# Altium PCB Calculator.PcbDoc (continued)
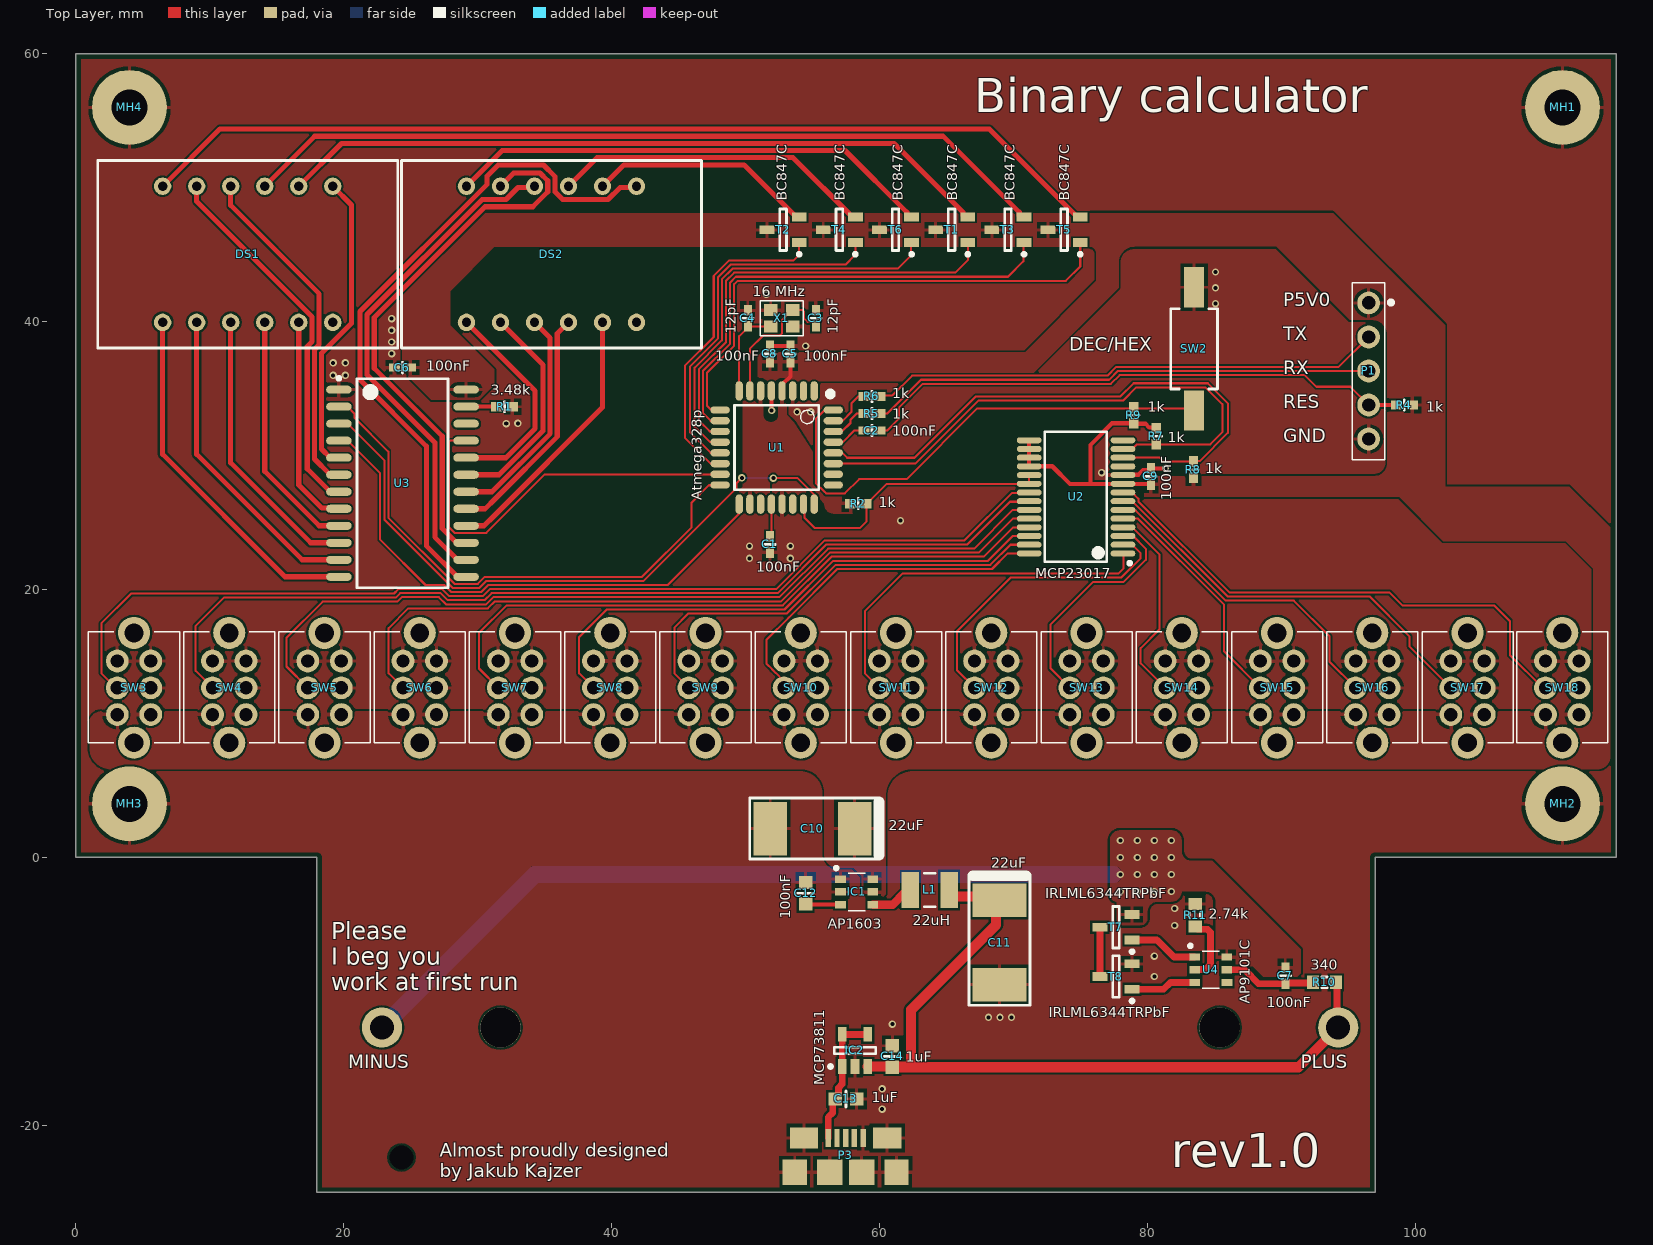
[diagram p0: Top Layer view]
## Part data
BAT1: library part "18650 Holder", "18650 Cell Battery Holder", Manufacturer=GENERIC, Manufacturer 1 Component Height=21mm, Manufacturer 1 Example=COMF, Manufacturer 1 Part Number=BHC-18650-1P, Voltage Max=100V, Author=JK, Create Date=20.12.2019, DesignItemId="18650 Holder", Family=BHC, helpURL=https://www.tme.eu/Document/8fa81c4c5d128169ded6af3ed3867ae3/BHC-18650-1P.pdf, LatestRevisionDate=20.12.2019, Manufacturer Part Number="18650 Holder", Mounted=Yes, Part Description="18650 Cell Battery Holder", Pin Count=2, PressFit=No, Sense=No, SMD=No, Socket=Yes, Status=Recommended, Supplier 1=TME, Supplier Part Number 1=BHC-18650-1P
C1 C2 C5 C6 C7 C8 C9: library part CC0402_100NF_16V_10%_X7R, "Non-polarised capacitor", Case="0402 (1005 metric)", Dielectric=X7R, Manufacturer=GENERIC, Manufacturer 1 Component Height=0.5mm, Manufacturer 1 Example=Samsung, Manufacturer 1 Part Number=CL05B104KO5NNNC, Tolerance=10%, Voltage=16V, Author=KB, Create Date=29.07.2019, DesignItemId=CC0402_100NF_16V_10%_X7R, helpURL=http://www.farnell.com/datasheets/1870456.pdf?_ga=2.66904750.1666480506.1564307475-778048469.1556931874&_gac=1.242951606.1563147047.EAIaIQobChMIrfuAvMi14wIVB-J3Ch1XegfpEAYYASABEgIMVfD_BwE, LatestRevisionDate=29.07.2019, Manufacturer Part Number=CC0402_100NF_16V_10%_X7R, Mounted=Yes, Part Description="Non-polarised capacitor", Pin Count=2, PressFit=No, Sense=No, SMD=Yes, Socket=No, Status=Recommended, Supplier 1=TME, Supplier 2=Farnell, Supplier 3=Mouser, Supplier Part Number 1=CL05B104KO5NNNC, Supplier Part Number 2=1758896, Supplier Part Number 3=710-885012205037
C3 C4: library part CC0402_12PF_50V_5%_C0G, "Non-polarised capacitor", Case="0402 (1005 metric)", Dielectric=C0G, Manufacturer=GENERIC, Manufacturer 1 Component Height=0.5mm, Manufacturer 1 Example=Murata, Manufacturer 1 Part Number=GRM1555C1H120JA01D, Tolerance=5%, Voltage=50V, Author=KB, Create Date=28.07.2019, DesignItemId=CC0402_12PF_50V_5%_C0G, helpURL=https://search.murata.co.jp/Ceramy/image/img/A01X/G101/ENG/GJM1555C1H7R5CB01-01.pdf, LatestRevisionDate=28.07.2019, Manufacturer Part Number=CC0402_12PF_50V_5%_C0G, Mounted=Yes, Part Description="Non-polarised capacitor", Pin Count=2, PressFit=No, Sense=No, SMD=Yes, Socket=No, Status=Recommended, Supplier 1=TME, Supplier 2=Farnell, Supplier 3=Mouser, Supplier Part Number 1=GRM1555C1H120JA01D, Supplier Part Number 2=1758943, Supplier Part Number 3=81-GCM1555C1H120JA6J
C10 C11: library part CC2917_47UF_25V_20%_TANTALUM, "Polarised capacitor", Case="2917 (7343 metric)", Dielectric=TANTALUM, Manufacturer=GENERIC, Manufacturer 1 Component Height=2.8mm, Manufacturer 1 Example=Vishay, Manufacturer 1 Part Number=293D476X0025D2TE3, Manufacturer Part Number=CC2917_22UF_25V_20%_TANTALUM, Supplier Part Number 1=74-293D476X0025D2TE3, Tolerance=20%, Voltage=25V, Author=JK, Create Date=19.12.2019, DesignItemId=CC2917_47UF_25V_20%_TANTALUM, helpURL=https://www.tme.eu/Document/a5d90d85079967994fb49c0e8f8ad6e9/293d.pdf, LatestRevisionDate=19.12.2019, Mounted=Yes, Part Description="Polarised capacitor", Pin Count=2, PressFit=No, Sense=No, SMD=Yes, Socket=No, Status=Recommended, Supplier 1=Mouser, Supplier 2=TME, Supplier Part Number 2=293D476X0025D2TE3
C12: library part CC0603_100NF_16V_10%_X7R, "Non-polarised capacitor", Case="0603 (1608 metric)", Dielectric=X7R, Manufacturer=GENERIC, Manufacturer 1 Component Height=0.8mm, Manufacturer 1 Example=Vishay, Manufacturer 1 Part Number=VJ0603Y104KXJCW1BC, Supplier Part Number 1=2896425, Tolerance=10%, Voltage=16V, Author=KB, Create Date=01.04.2019, DesignItemId=CC0603_100NF_16V_10%_X7R, helpURL=https://www.vishay.com/docs/28548/vjw1bcbascomseries.pdf, LatestRevisionDate=01.04.2019, Manufacturer Part Number=CC0603_100NF_16V_10%_X7R, Mounted=Yes, Part Description="Non-polarised capacitor", Pin Count=2, PressFit=No, Sense=No, SMD=Yes, Socket=No, Status=Recommended, Supplier 1=Farnell, Supplier 2=TME, Supplier 3=Mouser, Supplier Part Number 2=VJ0603Y104KXJCW1BC, Supplier Part Number 3=710-885012206046
C13 C14: library part CC0603_1UF_6V3_10%_X7R, "Non-polarised capacitor", Case="0603 (1608 metric)", Dielectric=X7R, Manufacturer=GENERIC, Manufacturer 1 Component Height=0.8mm, Manufacturer 1 Example=Samsung, Manufacturer 1 Part Number=C0603C105K9RACAUTO7411, Supplier Part Number 1=80-C0603C105K9RAUTLR, Tolerance=10%, Voltage=6.3V, Author=UN, Create Date=30.08.2019, DesignItemId=CC0603_1UF_6V3_10%_X7R, helpURL=https://pl.mouser.com/datasheet/2/212/KEM_C1023_X7R_AUTO_SMD-1093309.pdf, LatestRevisionDate=30.08.2019, Manufacturer Part Number=CC0603_1UF_6V3_10%_X7R, Mounted=Yes, Part Description="Non-polarised capacitor", Pin Count=2, PressFit=No, Sense=No, SMD=Yes, Socket=No, Status=Recommended, Supplier 1=Mouser, Supplier 2=TME, Supplier 3=Farnell, Supplier Part Number 2=C0603C105K9RACAU74, Supplier Part Number 3=2860299
DS1 DS2: library part "7-Segment Green Display CA 3-Digits", "7-seg LED Display; 9.14mm; 0.36ˇ¨; 3 Digits; Green", Color=Green, Manufacturer=Generic, Manufacturer 1 Component Height=7.2mm, Manufacturer 1 Example=WENRUN, Manufacturer 1 Part Number=LTD036BAG-101A-02, Supplier Part Number 1=LTD036BAG-101A, Author=JK, Create Date=04.12.2019, DesignItemId="7-Segment Green Display CA 3-Digits", helpURL=https://www.tme.eu/Document/a6075032405c075918ac13897b6973d4/LTD036BAG-101A.pdf, LatestRevisionDate=04.12.2019, Mounted=YES, Part Description="7-seg LED Display; 9.14mm; 0.36ˇ¨; 3 Digits; Green", Pin Count=12, PressFit=No, Sense=No, SMD=No, Socket=No, Supplier 1=TME
IC1: "STEP-UP DC-DC CONVERTER", Manufacturer 1 Component Height=1.3mm, Manufacturer 1 Example="DIODES INCORPORATED", Manufacturer 1 Part Number=AP1603WG-7, Supplier Part Number 1=621-AP1603WG-7, Author=JK, Create Date=19.12.2019, DesignItemId=AP1603, Device=AP1603, helpURL=https://www.tme.eu/Document/3ad0bf81fd35619d65908fe8fa84f929/AP1603x-DTE.pdf, LatestRevisionDate=19.12.2019, Mounted=Yes, Part Description="STEP-UP DC-DC CONVERTER", Pin Count=6, PressFit=No, Sense=No, SMD=Yes, Socket=No, Supplier 1=Mouser, Supplier 2=Farnell, Supplier 3=TME, Supplier Part Number 2=1825335, Supplier Part Number 3=AP1603WG-7
IC2: "Simple, Miniature Single-Cell, Fully Integrate d Li-Ion / Li-Polymer Charge Management Controllers", Manufacturer 1 Component Height=1.05mm, Manufacturer 1 Example="Microchip Technology", Manufacturer 1 Part Number=MCP73811T-420I/OT, Supplier Part Number 1=MCP73811T-420IT, Author=JK, Create Date=20.12.2019, DesignItemId=MCP73811, Device=MCP73811, helpURL=https://www.tme.eu/Document/854c2d12dac3548645f8087169cd177d/MCP73811T-420IT.pdf, LatestRevisionDate=20.12.2019, Mounted=Yes, Part Description="Simple, Miniature Single-Cell, Fully Integrate d Li-Ion / Li-Polymer Charge Management Controllers", Pin Count=5, PressFit=No, Sense=No, SMD=Yes, Socket=No, Supplier 1=TME
L1: library part IND1210_22UH_150MA, "SMD Inductor", Case="1210 (3225 metric)", Manufacturer=GENERIC, Manufacturer 1 Component Height=2mm, Manufacturer 1 Example=Murata, Manufacturer 1 Part Number=LQH32MN220K23L, Supplier Part Number 1=81-LQH32MN220K23L, Tolerance=10%, Author=JK, Create Date=19.12.2019, DesignItemId=IND1210_22UH_150MA, helpURL=https://www.murata.com/~/media/webrenewal/support/library/catalog/products/inductor/chip/o05e.ashx, LatestRevisionDate=19.12.2019, Manufacturer Part Number=LQH32MN220K23L, Mounted=Yes, Part Description="SMD inductor", Pin Count=2, PressFit=No, Sense=No, SMD=Yes, Socket=No, Status=Recommended, Supplier 1=Mouser, Supplier 2=TME, Supplier Part Number 2=LQH32MN220K23L
MH1 MH2 MH3 MH4: library part MH-M2.5_C, "Mounting hole, M2.5, exposed pad", Author=KB, Create Date=19.05.2011, DesignItemId=MH-M2.5_C, Family=M2.5, LatestRevisionDate=19.05.2011, Part Description="Mounting hole, M2.5, exposed pad"
P1: library part HDR_THT_5X1V_F_2P54MM, "General Purpose Header: THT, 2.54mm, Female, Straight, Long Lead", Current Max=3A, Manufacturer=GENERIC, Manufacturer 1 Component Height=11.55mm, Manufacturer 1 Example=Samtec, Supplier Part Number 1=ZL262-5SG, Author=UN, Create Date=19.08.2014, DesignItemId=HDR_THT_5X1V_F_2P54MM, Family=SSW, helpURL=https://pl.mouser.com/datasheet/2/527/ssw_th-1507658.pdf, LatestRevisionDate=19.08.2014, Manufacturer 1 Part Number=SSW-105-02-G-S, Manufacturer Part Number=HDR_THT_5X1V_F_2P54MM, Mounted=Yes, Part Description="General Purpose Header: THT, 2.54mm, Female, Straight, Long Lead", Pin Count=5, PressFit=No, Sense=No, SMD=No, Socket=No, Status=Recommended, Supplier 1=TME, Supplier 2=Mouser
P3: library part 10118192-0001LF, "USB B micro; SMT; PIN: 5; Horizontal; V: USB 2.0", Manufacturer=AMPHENOL, Manufacturer 1="ADAM TECH", Manufacturer 1 Component Height=2.8mm, Manufacturer Part Number 1=MUSB-B5-S-RA-TSMT-CS1, Supplier Part Number 1=10118192-0001LF/C, Author=JK, Create Date=21.12.2019, DesignItemId=10118192-0001LF, Family="USB Micro B", helpURL=https://www.tme.eu/Document/72ced03c59c3e8fbc7670eebe358f9ff/10118192-0001LF.pdf, LatestRevisionDate=21.12.2019, Manufacturer 1 Example=AMPHENOL, Manufacturer 1 Part Number=10118192-0001LF, Manufacturer Part Number=10118192-0001LF, Mounted=Yes, Part Description="USB B micro; SMT; PIN: 5; Horizontal; V: USB 2.0", Pin Count=5, PressFit=No, Sense=No, SMD=Yes, Socket=No, Status=Recommended, Supplier 1=TME
R1: library part R0402_3K48_0.0625W_100PPM, "General Purpose Thick Film Chip Resistor", Case="0402 (1005 metric)", Current Max=0, Manufacturer=GENERIC, Manufacturer 1 Component Height=0.4mm, Manufacturer 1 Example=Vishay, Manufacturer 1 Part Number=CRCW04023K48FKEDC, Manufacturer Part Number="R0402_3K48_0.0625W 0.1W 0.125W 0.25W 0.5W 1W 0.75W 1W_100PPM", Power=62.5mW, Tolerance=1%, Voltage=50V, Author=KB, Component Type=Standard, Create Date=03.07.2019, DesignItemId=R0402_3K48_0.0625W_100PPM, helpURL=https://www.vishay.com/docs/20035/dcrcwe3.pdf, LatestRevisionDate=03.07.2019, Mounted=Yes, Part Description="General Purpose Thick Film Chip Resistor", Pin Count=2, PressFit=No, Sense=No, SMD=Yes, Socket=No, Status=Recommended, Supplier 1=Farnell, Supplier 2=TME, Supplier 3=Mouser, TC="±100 ppm/°C"
R2 R4 R5 R6 R7 R8 R9: library part R0402_1K00_0.0625W_100PPM, "General Purpose Thick Film Chip Resistor", Case="0402 (1005 metric)", Current Max=0, Manufacturer=GENERIC, Manufacturer 1 Component Height=0.4mm, Manufacturer 1 Example=Vishay, Manufacturer 1 Part Number=CRCW04021K00FKEDC, Manufacturer Part Number="R0402_1K00_0.0625W 0.1W 0.125W 0.25W 0.5W 1W 0.75W 1W_100PPM", Power=62.5mW, Tolerance=1%, Voltage=50V, Author=KB, Component Type=Standard, Create Date=03.07.2019, DesignItemId=R0402_1K00_0.0625W_100PPM, helpURL=https://www.vishay.com/docs/20035/dcrcwe3.pdf, LatestRevisionDate=03.07.2019, Mounted=Yes, Part Description="General Purpose Thick Film Chip Resistor", Pin Count=2, PressFit=No, Sense=No, SMD=Yes, Socket=No, Status=Recommended, Supplier 1=Farnell, Supplier 2=Mouser, Supplier 3=TME, Supplier Part Number 2=71-CRCW0402-1.0K-E3, Supplier Part Number 3=CRCW04021K00FKED, TC="±100 ppm/°C"
R10: library part R0603_340R_0.1W_100PPM, "General Purpose Thick Film Chip Resistor", Case="0603 (1608 metric)", Current Max=0, Manufacturer=GENERIC, Manufacturer 1 Component Height=0.5mm, Manufacturer 1 Example=Vishay, Manufacturer 1 Part Number=CRCW0603340RFKEDC, Manufacturer Part Number="R0603_340R_0.0625W 0.1W 0.125W 0.25W 0.5W 1W 0.75W 1W_100PPM", Power=100mW, Tolerance=1%, Voltage=75V, Author=KB, Component Type=Standard, Create Date=03.07.2019, DesignItemId=R0603_340R_0.1W_100PPM, helpURL=https://www.vishay.com/docs/20035/dcrcwe3.pdf, LatestRevisionDate=03.07.2019, Mounted=Yes, Part Description="General Purpose Thick Film Chip Resistor", Pin Count=2, PressFit=No, Sense=No, SMD=Yes, Socket=No, Status=Recommended, Supplier 1=Farnell, Supplier 2=TME, Supplier 3=Mouser, TC="±100 ppm/°C"
R11: library part R0603_2K74_0.1W_100PPM, "General Purpose Thick Film Chip Resistor", Case="0603 (1608 metric)", Current Max=0, Manufacturer=GENERIC, Manufacturer 1 Component Height=0.5mm, Manufacturer 1 Example=Vishay, Manufacturer 1 Part Number=CRCW06032K74FKEDC, Manufacturer Part Number="R0603_2K74_0.0625W 0.1W 0.125W 0.25W 0.5W 1W 0.75W 1W_100PPM", Power=100mW, Tolerance=1%, Voltage=75V, Author=KB, Component Type=Standard, Create Date=03.07.2019, DesignItemId=R0603_2K74_0.1W_100PPM, helpURL=https://www.vishay.com/docs/20035/dcrcwe3.pdf, LatestRevisionDate=03.07.2019, Mounted=Yes, Part Description="General Purpose Thick Film Chip Resistor", Pin Count=2, PressFit=No, Sense=No, SMD=Yes, Socket=No, Status=Recommended, Supplier 1=Farnell, Supplier 2=TME, Supplier 3=Mouser, TC="±100 ppm/°C"
SW2: library part SMD_TACT_6P0X3P5MM, "Tactile Switches Tact 50mA 12VDC, 6.0x3.5, 4.3mm H, 180gf, G leads, No ground pin, Black Actuator", Manufacturer=C&K, Manufacturer 1 Component Height=4.3mm, Manufacturer 1 Example=S&K, Manufacturer 1 Part Number="PTS636 SM43 SMTR LFS", Supplier Part Number 1=611-PTS636SM43SMTRLF, Author=KB, Create Date=30.07.2019, DesignItemId=SMD_TACT_6P0X3P5MM, Family=PTS636, helpURL=https://pl.mouser.com/datasheet/2/60/pts636-1550567.pdf, LatestRevisionDate=30.07.2019, Manufacturer Part Number="PTS636 SM43 SMTR LFS", Mounted=Yes, Part Description="Tactile Switches Tact 50mA 12VDC, 6.0x3.5, 4.3mm H, 180gf, G leads, No ground pin, Black Actuator", Pin Count=2, PressFit=No, Sense=No, SMD=Yes, Socket=No, Status=Recommended, Supplier 1=Mouser, Supplier 2=Digi-Key
SW3 SW4 SW5 SW6 SW7 SW8 SW9 SW10 SW11 SW12 SW13 SW14 SW15 SW16 SW17 SW18: library part SS008B-02P-22, "Switch  2 position; DPDT; 0,3A/30VDC; ON-ON; 50mŁ[", Manufacturer="CANAL ELECTRONIC", Manufacturer 1 Component Height=4.7mm, Supplier Part Number 1=SS008B02P22, Author=JK, Create Date=04.12.2019, DesignItemId=SS008B-02P-22, Family=SS008B, helpURL=https://www.tme.eu/Document/b70a8664e2e58da8ce3209f25de299f1/ss008b02p22.pdf, LatestRevisionDate=04.12.2019, Manufacturer 1 Example="CANAL ELECTRONIC", Manufacturer 1 Part Number=SS008B-02P-22, Manufacturer Part Number=SS008B-02P-22, Mounted=Yes, Part Description="Switch  2 position; DPDT; 0,3A/30VDC; ON-ON; 50mŁ[", Pin Count=6, PressFit=No, Sense=No, SMD=No, Socket=No, Status=Recommended, Supplier 1=TME
T1 T2 T3 T4 T5 T6: "NPN Bipolar Transistor, 45V, 100mA, 250mW, SOT23", Manufacturer 1 Component Height=1.05mm, Manufacturer 1 Example=Nexperia, Manufacturer 1 Part Number=BC847C.215, Author=KB, Create Date=19.04.2009, DesignItemId=BC847C, Device=BC847C, helpURL=https://assets.nexperia.com/documents/data-sheet/BC847_SER.pdf, LatestRevisionDate=19.04.2009, Mounted=Yes, Part Description="NPN Bipolar Transistor, 45V, 100mA, 250mW, SOT23", Pin Count=3, PressFit=No, Sense=No, SMD=Yes, Socket=No, Supplier 1=TME, Supplier 2=Farnell, Supplier 3=Mouser, Supplier Part Number 1=BC847C.215, Supplier Part Number 2=1081235, Supplier Part Number 3=771-BC847C-T/R
T7 T8: library part IRLML6344TRPBF, "N-MOS 5.0A 29mOhm 30V 2.5V drv capable", Manufacturer 1 Component Height=1.05mm, Manufacturer 1 Example=Infineon, Author=JK, Create Date=30.09.2019, DesignItemId=IRLML6344TRPBF, Device=IRLML6344TRPbF, helpURL=https://www.tme.eu/Document/f3dfd4e8b214f54a2960ef3507968e9d/irlml6344pbf.pdf, LatestRevisionDate=30.09.2019, Manufacturer 1 Part Number=IRLML6344TRPBF, Mounted=Yes, Part Description="N-MOS 5.0A 29mOhm 30V 2.5V drv capable", Pin Count=3, PressFit=No, Sense=No, SMD=Yes, Socket=No, Supplier 1=TME, Supplier 2=Farnell, Supplier 3=Mouser, Supplier Part Number 1=IRLML6344TRPBF, Supplier Part Number 2=1857299, Supplier Part Number 3=942-IRLML6344TRPBF
U1: "8-bit AVR Microcontroller with 32K Bytes In-SystemProgrammable Flash", Manufacturer 1 Component Height=1.2mm, Manufacturer 1 Example=Atmel, Manufacturer 1 Part Number=ATMEGA328PB-AU, Author=JK, Create Date=21.12.2019, DesignItemId=Atmega328p, Device=Atmega328p, helpURL=http://ww1.microchip.com/downloads/en/DeviceDoc/Atmel-7810-Automotive-Microcontrollers-ATmega328P_Datasheet.pdf, LatestRevisionDate=21.12.2019, Mounted=Yes, Part Description="8-bit AVR Microcontroller with 32K Bytes In-SystemProgrammable Flash", Pin Count=32, PressFit=No, Sense=No, SMD=Yes, Socket=No, Supplier 1=TME, Supplier Part Number 1=ATMEGA328PB-AU
U2: library part MCP23017-E/SS, "16-Bit I/O Expander with Serial Interface", Manufacturer 1 Component Height=1.75mm, Manufacturer 1 Example=Microchip, Supplier Part Number 1=579-MCP23017-E/SS, Author=JK, Create Date=06.09.2019, DesignItemId=MCP23017-E/SS, Device=MCP23017, helpURL=https://www.tme.eu/Document/4a5fbc9d683fd19f7c43480a0c75c888/mcp23017.pdf, LatestRevisionDate=06.09.2019, Manufacturer 1 Part Number=MCP23017-E/SS, Mounted=Yes, Part Description="16-Bit I/O Expander with Serial Interface", Pin Count=28, PressFit=No, Sense=No, SMD=Yes, Socket=No, Supplier 1=Mouser, Supplier 2=Farnell, Supplier 3=TME, Supplier Part Number 2=1467674, Supplier Part Number 3=MCP23017-E/SS
U3: library part SCT2024, "Driver, kontroler LED, 5ˇĹ0mA, Kanały: 16, 3ˇĹ,5V, SOP24", Manufacturer=Generic, Manufacturer 1 Component Height=2.65mm, Manufacturer 1 Example="STARCHIPS TECHNOLOGY", Manufacturer 1 Part Number=SCT2024CSOG, Author=UN, Create Date=14.08.2019, DesignItemId=SCT2024, helpURL=https://www.tme.eu/Document/8876e3da3e0cc25d8b4c7cdeea8b8a88/SCT2024.pdf, LatestRevisionDate=14.08.2019, Mounted=Yes, Part Description="Driver, kontroler LED, 5ˇĹ0mA, Kanały: 16, 3ˇĹ,5V, SOP24", Pin Count=24, PressFit=No, Sense=No, SMD=Yes, Socket=No, Supplier 1=TME, Supplier Part Number 1=SCT2024CSOG
U4: "SINGLE CHIP SOLUTION FOR 1-CELL Li+ BATTERY PACK", Manufacturer 1 Component Height=1.3mm, Manufacturer 1 Example="Diodes Incorporated", Manufacturer 1 Part Number=AP9101CK6-AETRG1, Author=JK, Create Date=20.12.2019, DesignItemId=AP9101C, Device=AP9101C, helpURL=https://www.tme.eu/Document/2363835cc5634a92b6e94bc773e39f4b/AP9101C.pdf, LatestRevisionDate=20.12.2019, Mounted=Yes, Part Description="SINGLE CHIP SOLUTION FOR 1-CELL Li+ BATTERY PACK", Pin Count=6, PressFit=No, Sense=No, SMD=Yes, Socket=No, Supplier 1=TME, Supplier Part Number 1=AP9101CK6-AETRG1
X1: library part LFXTAL069392CUTT, "ˇĹ0ppm 10pF -40°C to +85°C  4 Pins, 2.5x2X0.6mm", Manufacturer 1 Component Height=0.6, Manufacturer 1 Example="IQD FREQUENCY PRODUCTS", Supplier Part Number 1=16.00M-CFPX-218, Author=PC, Create Date=19.08.2009, DesignItemId=LFXTAL069392CUTT, helpURL=https://www.tme.eu/Document/39c21ac8c088601505d794405896ec92/LFXTAL069392Cutt.pdf, LatestRevisionDate=19.08.2009, Manufacturer 1 Part Number=LFXTAL069392CUTT, Mounted=Yes, Part Description="ˇĹ0ppm 10pF -40°C to +85°C  4 Pins, 2.5x2X0.6mm", Pin Count=4, PressFit=No, Sense=No, SMD=Yes, Socket=No, Supplier 1=TME, Supplier 2=Mouser, Supplier Part Number 2=449-LFXTAL069392CUTT

## Via types
v1: diameter 0.55, hole 0.3, Top Layer to Bottom Layer, tented both sides, 53 vias

## Nets (pads, with @x,y where several pads share a name; then routed paths per layer and width w, separated by ;. In a path a pad name is that pad's centre, name@x,y a point inside that pad or via, vN(x,y) a via of type N, cw(c..) or ccw(c..) an arc to the next point about the centre after c; other vN are vias at no path point)
A1: DS1.11 U3.7 | length 27.9
  Top Layer w0.381: DS1.11 9.017,48.978 17.63,40.365 17.63,38.512 17.274,38.156 17.274,29.015 18.984,27.305 U3.7
A2: DS2.11 U3.15 | length 41.9
  Top Layer w0.381: U3.15 28.425,23.495 28.102,23.817 28.091,23.817 27.356,24.553 27.356,31.445 23.241,35.56 22.276,36.525 22.276,40.31 30.554,48.588 34.117,48.588 35.232,49.703 35.232,50.525 34.65,51.107 32.692,51.107 DS2.11
B1: DS1.7 U3.5 | length 22.7
  Top Layer w0.381: DS1.7 20.574,48.717 20.574,39.878 18.341,37.645 18.341,30.488 18.984,29.845 U3.5
B2: DS2.7 U3.13 | length 51.2
  Top Layer w0.381: U3.13 28.484,20.955 26.162,23.277 26.162,30.709 21.209,35.662 21.209,40.76 30.706,50.257 30.706,50.874 31.537,51.704 34.91,51.704 35.76,50.854 35.76,50.6 35.765,50.595 35.765,49.706 36.35,49.121 39.73,49.121 40.638,50.029 41.773,50.029 DS2.7
C1: DS1.4 U3.9 | length 18.3
  Top Layer w0.381: DS1.4 14.097,28.829 18.161,24.765 U3.9
C2: DS2.4 U3.17 | length 17.9
  Top Layer w0.381: U3.17 30.557,26.035 31.294,26.772 35.941,31.419 35.941,39.116 DS2.4
CLK: U1.24 U3.3 | length 48.1
  Top Layer w0.152: U3.3 20.284,32.385 23.025,29.644 23.025,25.235 28.139,20.122 30.129,20.122 30.658,20.65 42.395,20.65 49.305,27.561 49.305,27.924 v1(49.724,28.342) ; v1(52.07,28.321) 53.887,28.321 55.124,27.084 U1.24@55.124,26.357
  Bottom Layer w0.152: v1(49.724,28.342) 49.702,28.321 v1(52.07,28.321)
D1: DS1.2 U3.11 | length 23.7
  Top Layer w0.381: DS1.2 9.017,30.099 16.891,22.225 U3.11
D2: DS2.2 U3.19 | length 16.5
  Top Layer w0.381: U3.19 31.588,28.575 34.874,31.861 34.874,36.779 DS2.2
DIGIT1: T5.1 U1.9 | length 39.2
  Top Layer w0.152: U1.9@48.074,33.407 47.43,33.407 47.117,33.72 47.117,36.18 49.149,38.212 49.149,42.799 49.403,43.053 73.914,43.053 74.987,44.126 T5.1
DIGIT2: T3.1 U1.10 | length 36.1
  Top Layer w0.152: U1.10@48.074,32.607 47.399,32.607 46.812,33.194 46.812,36.321 48.844,38.353 48.844,42.925 49.277,43.358 69.596,43.358 70.739,44.501 70.739,45.862 T3.1
DIGIT3: T1.1 U1.11 | length 33.2
  Top Layer w0.152: U1.11@48.074,31.807 47.323,31.807 46.507,32.622 46.507,36.447 48.539,38.48 48.539,43.052 49.15,43.663 65.659,43.663 66.593,44.597 T1.1
DIGIT4: T6.1 U1.12 | length 30
  Top Layer w0.152: U1.12@48.074,31.007 47.352,31.007 46.203,32.156 46.203,36.574 48.235,38.606 48.235,43.178 49.024,43.967 61.366,43.967 62.357,44.958 62.357,45.874 T6.1
DIGIT5: T4.1 U1.13 | length 27.2
  Top Layer w0.152: U1.13@48.074,30.207 47.39,30.207 45.847,31.75 45.847,36.649 47.93,38.732 47.93,43.304 48.898,44.272 57.48,44.272 58.199,44.991 T4.1
DIGIT6: T2.1 U1.14 | length 24.3
  Top Layer w0.152: U1.14@48.074,29.407 47.392,29.407 45.466,31.333 45.466,36.699 47.625,38.858 47.625,43.43 48.772,44.577 53.594,44.577 54.002,44.985 T2.1
DP1: DS1.3 U3.10 | length 21
  Top Layer w0.381: DS1.3 11.557,29.464 17.526,23.495 U3.10
DP2: DS2.3 U3.18 | length 16.9
  Top Layer w0.381: U3.18 31.073,27.305 35.408,31.64 35.408,38.786 DS2.3
E1: DS1.1 U3.12 | length 26.8
  Top Layer w0.381: DS1.1 6.477,30.099 15.621,20.955 U3.12
E2: DS2.1 U3.20 | length 16.1
  Top Layer w0.381: U3.20 32.104,29.845 34.29,32.031 34.29,34.823 DS2.1
F1: DS1.10 U3.6 | length 25.6
  Top Layer w0.381: DS1.10 11.557,48.687 18.163,42.081 18.163,38.291 17.808,37.935 17.808,29.751 18.912,28.647 19.562,28.647 U3.6
F2: DS2.10 U3.14 | length 38.2
  Top Layer w0.381: U3.14 28.484,22.225 26.797,23.912 26.797,30.988 21.742,36.043 21.742,40.531 30.333,49.121 32.11,49.121 33.018,50.029 34.153,50.029 DS2.10
G1: DS1.5 U3.8 | length 15.9
  Top Layer w0.381: DS1.5 16.637,27.813 18.373,26.077 19.592,26.077 U3.8
G2: DS2.5 U3.16 | length 20.2
  Top Layer w0.381: U3.16 30.472,24.765 31.209,25.502 39.319,33.612 DS2.5
GND: C1.1 C3.2 C4.1 C5.1 C6.1 C8.1 C9.1 C10.2 C11.2 C12.1 C13.1 C14.1 IC1.1 IC1.2 IC2.2 MH1.MH MH2.MH MH3.MH MH4.MH P1.5 P3.5 P3.SH R1.1 R11.1 SW2.1 SW3.3 SW3.4 SW3.5 SW3.6 SW4.3 SW4.4 SW4.5 SW4.6 SW5.3 SW5.4 SW5.5 SW5.6 SW6.3 SW6.4 SW6.5 SW6.6 SW7.3 SW7.4 SW7.5 SW7.6 SW8.3 SW8.4 SW8.5 SW8.6 SW9.3 SW9.4 SW9.5 SW9.6 SW10.3 SW10.4 SW10.5 SW10.6 SW11.3 SW11.4 SW11.5 SW11.6 SW12.3 SW12.4 SW12.5 SW12.6 SW13.3 SW13.4 SW13.5 SW13.6 SW14.3 SW14.4 SW14.5 SW14.6 SW15.3 SW15.4 SW15.5 SW15.6 SW16.3 SW16.4 SW16.5 SW16.6 SW17.3 SW17.4 SW17.5 SW17.6 SW18.3 SW18.4 SW18.5 SW18.6 T8.2 U1.3 U1.5 U1.21 U2.10 U3.1 X1.2 X1.4 | length 6.4
  Top Layer w0.305: C8.1 C5.1 ; U1.5@51.924,34.857 51.924,33.395 ccw(c51.943,33.395) v1(51.943,33.376) ; U2.10 78.204,28.577 79.326,28.577 79.685,28.936 80.152,28.936 80.266,29.05 81.354,29.05 v1(81.356,29.052)
  other v1: 60.198,-18.796 60.198,-17.272 60.96,-12.446 68.14,-11.938 68.995,-11.938 69.85,-11.938 80.518,-8.89 80.518,-7.366 82.042,-5.08 82.042,-3.81 50.292,22.327 53.34,22.327 50.292,23.241 53.34,23.241 61.57,25.146 76.581,28.727 32.131,32.385 32.995,32.41 53.848,33.274 54.864,33.274 19.202,35.992 20.117,35.992 19.202,36.932 20.117,36.932 23.571,37.617 54.48,38.188 23.571,38.489 23.571,39.362 23.571,40.234 85.09,41.351 51.534,42.049 85.09,42.532 85.09,43.713
GNDBAT: BAT1.MINUS C7.1 T7.2 U4.6 | length 59.4
  Bottom Layer w1.27: BAT1.MINUS 34.277,-1.27 77.47,-1.27
  other v1: 77.978,-2.54 79.248,-2.54 80.518,-2.54 81.788,-2.54 77.978,-1.27 79.248,-1.27 80.518,-1.27 81.788,-1.27 77.978,0 79.248,0 80.518,0 81.788,0 77.978,1.27 79.248,1.27 80.518,1.27 81.788,1.27
INT: R2.1 U1.23 U2.19 U2.20 | length 20.9
  Top Layer w0.152: U1.23@54.324,26.357 54.41,26.271 54.41,25.346 55.143,24.613 58.557,24.613 59.02,25.076 R2.1 ; R2.1@59.055,26.416 60.538,27.899 U2.20 U2.19
LA: U1.17 U3.4 | length 40.6
  Top Layer w0.152: U3.4 20.284,31.115 22.72,28.679 22.72,23.727 26.102,20.345 27.484,20.345 28.013,19.817 30.255,19.817 30.784,20.345 44.187,20.345 49.524,25.682 U1.17@49.524,26.357
NetC1_2: C1.2 U1.20 | length 2.2
  Top Layer w0.152: C1.2@51.816,24.222 51.924,24.33 U1.20@51.924,26.357
NetC2_1: C2.1 U1.29 | length 2.6
  Top Layer w0.152: U1.29@56.574,31.007 57.249,31.007 58.119,31.877 C2.1
NetC3_1: C3.1 U1.7 X1.1 | length 10.7
  Top Layer w0.152: U1.7@50.324,34.857 50.324,37.984 51.308,38.968 52.557,38.968 52.705,39.116 52.705,40.097 53.48,40.872 X1.1 54.251,40.872 54.356,40.767 54.356,40.259 54.632,39.983 55.021,39.983 55.245,39.759 C3.1
NetC4_2: C4.2 U1.8 X1.3 | length 6.8
  Top Layer w0.152: U1.8@49.524,34.857 49.524,38.918 50.165,39.559 C4.2 50.177,39.646 X1.3
NetC7_2: C7.2 R10.2 U4.5 | length 6.9
  Top Layer w0.508: U4.5 87.249,-8.382 88.297,-9.43 C7.2 90.297,-9.426 90.343,-9.38 92.318,-9.38 R10.2
NetC12_2: C12.2 IC1.3 | length 2.6
  Top Layer w0.305: C12.2 54.535,-3.519 IC1.3
NetDS1_8: DS1.8 T1.2 | length 53.7
  Top Layer w0.381: DS1.8 19.837,53.315 61.091,53.315 66.233,48.172 66.233,47.947 66.368,47.813 T1.2
NetDS1_9: DS1.9 T3.2 | length 60.9
  Top Layer w0.381: DS1.9 17.831,53.848 64.755,53.848 70.43,48.172 70.43,47.947 70.565,47.813 T3.2
NetDS1_12: DS1.12 T5.2 | length 73
  Top Layer w0.381: DS1.12 10.748,54.385 68.19,54.385 74.762,47.813 T5.2
NetDS2_8: DS2.8 T2.2 | length 17
  Top Layer w0.381: DS2.8 40.919,51.714 49.876,51.714 53.777,47.813 T2.2
NetDS2_9: DS2.9 T4.2 | length 24.1
  Top Layer w0.381: DS2.9 38.913,52.248 53.539,52.248 57.974,47.813 T4.2
NetDS2_12: DS2.12 T6.2 | length 36.5
  Top Layer w0.381: DS2.12 31.826,52.781 57.428,52.781 62.036,48.172 62.036,47.947 62.171,47.813 T6.2
NetIC1_4: IC1.4 L1.2 | length 3.9
  Top Layer w0.305: L1.2@61.849,-2.667 61.95,-2.667 62.304,-3.021 L1.2
  Top Layer w0.635: IC1.4 60.997,-3.519 L1.2@61.849,-2.667
NetR1_2: R1.2 U3.23 | length 2.3
  Top Layer w0.305: U3.23 R1.2
NetR5_1: R5.1 U1.30 | length 3
  Top Layer w0.152: U1.30@56.574,31.807 57.197,31.807 57.831,32.441 57.831,32.685 58.293,33.147 R5.1
NetR6_1: R6.1 U1.31 | length 3.4
  Top Layer w0.152: U1.31@56.574,32.607 57.249,32.607 57.912,33.27 57.912,33.909 58.42,34.417 R6.1
NetR11_2: R11.2 U4.2 | length 5.1
  Top Layer w0.508: U4.2 83.548,-8.361 84.349,-8.361 84.709,-8.001 84.709,-5.588 84.485,-5.364 83.762,-5.364 R11.2
NetT7_1: T7.1 U4.1 | length 5.2
  Top Layer w0.508: T7.1 80.706,-6.157 81.981,-7.432 U4.1
NetT7_3: T7.3 T8.3 | length 3.7
  Top Layer w0.508: T8.3 T7.3
NetT8_1: T8.1 U4.3 | length 4.9
  Top Layer w0.508: T8.1 81.219,-9.84 81.727,-9.332 U4.3
OE: U1.15 U3.21 | length 29.9
  Top Layer w0.152: U3.21 27.953,31.115 27.864,31.026 27.864,24.638 28.265,24.236 30.65,24.236 35.021,28.607 U1.15@48.074,28.607
P5V0: C5.2 C6.2 C8.2 C9.2 C10.1 IC1.5 IC1.6 P1.1 R2.2 R4.2 R7.2 R8.2 R9.2 SW3.1 SW4.1 SW5.1 SW6.1 SW7.1 SW8.1 SW9.1 SW10.1 SW11.1 SW12.1 SW13.1 SW14.1 SW15.1 SW16.1 SW17.1 SW18.1 T1.3 T2.3 T3.3 T4.3 T5.3 T6.3 U1.4 U1.6 U1.18 U2.9 U2.15 U2.16 U2.17 U2.18 U3.24 | length 22.8
  Top Layer w0.305: U1.4 52.724,35.302 53.34,35.918 C5.2 ; U2.15 U2.16 U2.17 U2.18 71.187,29.21 72.898,29.21 74.209,27.899 75.743,27.899 ; C9.2 ccw(c80.213,27.848) 80.213,27.899 U2.9 75.743,27.899 ; R7.2 80.67,32.095 80.137,32.095 79.847,32.385 79.029,32.385 R9.2 77.353,32.42 75.743,30.81 75.743,27.899
  Top Layer w1.27: P1.1@96.52,41.286 P1.1
RESET: C2.2 P1.4 R4.1 | length 41.7
  Top Layer w0.152: C2.2 60.579,31.877 61.45,32.749 61.45,33.587 63.225,35.362 77.272,35.362 77.927,36.017 91.745,36.017 92.618,35.144 95.158,35.144 P1.4
  Top Layer w0.305: P1.4 R4.1
RX: P1.3 R5.2 | length 37.8
  Top Layer w0.152: R5.2 60.579,33.147 63.099,35.667 77.146,35.667 77.801,36.322 P1.3
SCL: R8.1 U1.28 U2.12 | length 43.6
  Top Layer w0.152: U1.28@56.574,30.207 57.229,30.207 57.591,29.845 62.611,29.845 67.183,34.417 77.978,34.417 78.967,35.406 84.507,35.406 86.004,33.909 86.004,31.699 83.896,29.591 83.474,29.591 R8.1 81.207,29.556 80.914,29.849 U2.12
SDA: R7.1 U1.27 U2.13 | length 41.9
  Top Layer w0.152: U1.27@56.574,29.407 62.681,29.407 67.386,34.112 78.181,34.112 79.171,35.102 84.334,35.102 85.598,33.838 85.598,31.75 84.693,30.845 R7.1 79.222,30.845 78.876,30.499 U2.13
SDI: U1.16 U3.2 | length 41.1
  Top Layer w0.152: U3.2 20.284,33.655 20.79,33.149 20.79,32.846 23.33,30.306 23.33,25.362 28.265,20.426 30.003,20.426 30.532,20.955 42.268,20.955 45.974,24.661 45.974,26.503 47.26,27.789 48.056,27.789 U1.16@48.074,27.807
SW0: SW11.2 U2.1 | length 28
  Top Layer w0.152: SW11.2 58.905,13.747 58.905,18.392 61.722,21.209 77.851,21.209 78.232,21.59 78.232,22.643 U2.1
SW1: SW12.2 U2.2 | length 22.7
  Top Layer w0.152: SW12.2 65.786,13.978 65.786,16.891 69.799,20.904 78.054,20.904 79.502,22.352 79.502,22.723 78.876,23.349 U2.2
SW2: SW13.2 U2.3 | length 17.4
  Top Layer w0.152: SW13.2 72.771,14.105 72.771,17.399 75.946,20.574 78.232,20.574 79.883,22.225 79.883,23.046 78.93,23.999 U2.3
SW3: SW14.2 U2.4 | length 14.9
  Top Layer w0.152: U2.4 78.876,24.649 80.899,22.626 80.899,17.018 79.502,15.621 79.502,14.486 SW14.2
SW4: SW15.2 U2.5 | length 17.5
  Top Layer w0.152: U2.5 79.299,25.299 85.725,18.873 85.725,15.375 SW15.2
SW5: SW16.2 U2.6 | length 24
  Top Layer w0.152: U2.6 78.233,25.892 79.137,25.892 85.852,19.177 90.932,19.177 93.599,16.51 93.599,14.613 SW16.2
SW6: SW17.2 U2.7 | length 30.7
  Top Layer w0.152: U2.7 78.876,26.599 85.993,19.482 96.596,19.482 99.567,16.511 99.567,15.757 SW17.2
SW7: SW18.2 U2.8 | length 39.2
  Top Layer w0.152: U2.8 78.867,27.249 79.33,26.787 79.33,26.576 86.119,19.787 98.069,19.787 99.06,18.796 105.918,18.796 107.061,17.653 107.061,15.113 109.506,12.668 SW18.2
SW8: SW3.2 U2.21 | length 79.1
  Top Layer w0.152: SW3.2 3.004,12.668 1.905,13.767 1.905,17.475 4.14,19.71 23.75,19.71 24.081,20.041 27.358,20.041 27.886,19.512 30.382,19.512 30.91,20.041 52.276,20.041 55.908,23.673 66.345,23.673 69.901,27.229 71.156,27.229 U2.21
SW9: SW4.2 U2.22 | length 71.7
  Top Layer w0.152: SW4.2 8.934,13.934 8.934,17.291 11.049,19.406 23.877,19.406 24.207,19.736 27.231,19.736 27.76,19.207 30.508,19.207 31.037,19.736 52.402,19.736 56.035,23.368 66.554,23.368 69.745,26.559 71.136,26.559 U2.22
SW10: SW5.2 U2.23 | length 64.2
  Top Layer w0.152: SW5.2 15.723,14.257 15.723,16.408 18.415,19.101 24.003,19.101 24.333,19.431 27.105,19.431 27.634,18.902 30.634,18.902 31.163,19.431 52.529,19.431 56.161,23.063 67.071,23.063 69.957,25.949 U2.23
SW11: SW6.2 U2.24 | length 56.1
  Top Layer w0.152: SW6.2 23.345,13.747 23.345,17.122 24.821,18.598 30.76,18.598 31.289,19.126 52.655,19.126 56.287,22.758 67.412,22.758 69.952,25.298 U2.24
SW12: SW7.2 U2.25 | length 49
  Top Layer w0.152: SW7.2 30.099,14.105 30.099,16.764 32.156,18.821 52.781,18.821 56.413,22.454 67.788,22.454 69.983,24.649 U2.25
SW13: SW8.2 U2.26 | length 41
  Top Layer w0.152: SW8.2 37.569,13.747 37.569,16.46 39.626,18.517 52.908,18.517 56.54,22.149 68.097,22.149 69.948,23.999 U2.26
SW14: SW9.2 U2.27 | length 34
  Top Layer w0.152: SW9.2 44.681,13.747 44.681,17.16 45.733,18.212 53.087,18.212 56.719,21.844 68.276,21.844 69.781,23.349 U2.27
SW15: SW10.2 U2.28 | length 26.4
  Top Layer w0.152: SW10.2 52.872,13.098 ccw(c52.72,13.098) 52.827,13.206 52.245,13.788 ccw(c52.137,13.681) 52.228,13.803 cw(c52.872,14.668) 52.007,14.024 ccw(c51.885,13.933) 51.992,14.041 51.601,14.432 cw(c51.709,14.539) 51.557,14.539 51.557,16.188 cw(c51.709,16.188) 51.601,16.295 53.213,17.907 56.845,21.539 68.402,21.539 69.562,22.699 U2.28
SWITCH: R9.1 SW2.2 U1.32 | length 37.7
  Top Layer w0.152: U1.32 56.473,33.331 55.831,33.331 55.595,33.095 55.25,32.75 55.25,27.944 55.89,27.303 56.016,27.178 57.413,27.178 58.485,28.25 62.032,28.25 67.31,33.528 78.902,33.528 R9.1 79.086,33.528 83.335,33.528 SW2.2
TX: P1.2 R6.2 | length 38.3
  Top Layer w0.152: R6.2 60.112,34.493 60.951,34.493 62.43,35.972 77.019,35.972 77.675,36.627 94.285,36.627 P1.2
VBAT: BAT1.PLUS C11.1 C14.2 IC2.3 L1.1 R10.1 | length 60.3
  Top Layer w0.508: R10.1 94.157,-9.42 BAT1.PLUS@94.157,-12.61
  Top Layer w0.762: IC2.3 60.91,-15.609 C14.2 ; L1.1 65.702,-2.924 68.685,-2.924 C11.1 68.707,-3.454 68.707,-5.028 62.357,-11.378 62.357,-15.442 62.178,-15.621 60.998,-15.621 C14.2 ; BAT1.PLUS@94.157,-12.61 94.157,-12.79 91.288,-15.659 62.357,-15.659 C14.2
VUSB: C13.2 IC2.1 IC2.4 IC2.5 P3.1 | length 10.1
  Top Layer w0.508: P3.1 56.174,-19.391 56.515,-19.05 56.515,-18.212 C13.2 56.939,-17.788 56.939,-17.198 57.216,-16.921 IC2.1 IC2.5 IC2.4
pads on no net: BAT1. DS1.6 DS2.6 P3.2 P3.3 P3.4 SW3. SW4. SW5. SW6. SW7. SW8. SW9. SW10. SW11. SW12. SW13. SW14. SW15. SW16. SW17. SW18. U1.1 U1.2 U1.19 U1.22 U1.25 U1.26 U2.11 U2.14 U3.22 U4.4

## Polygon pours and split planes (outlines as drawn)
GND on Top Layer "GND_L01_P031" (solid, remove dead copper, pour order 31): 0,0 18,0 18,-25.004 97,-25.004 97,0 114.996,0 114.996,59.996 0,59.996
P5V0 on Top Layer "P5V0_L01_P027" (solid, pour order 27): 58.166,26.772 58.166,26.974 ccw(c57.963,26.975) 57.963,27.178 56.134,27.178 55.372,27.94 55.372,29.718 53.589,32.512 53.061,33.04 53.061,34.366 52.451,34.366 52.426,34.341 52.449,34.318 52.449,33.02 cw(c51.929,33.031) 51.918,32.512 51.878,32.512 cw(c51.878,33.082) 51.308,33.082 51.308,34.544 49.784,34.544 49.784,27.686 49.53,27.432 49.53,25.4 51.816,25.4 51.816,28.488 53.808,28.488 55.88,26.416 55.88,26.391 ccw(c56.617,26.391) 56.617,25.654 57.963,25.654 ccw(c57.963,25.857) 58.166,25.857
GNDBAT on Top Layer "GNDBAT_L01_P007" (solid, pour order 7): 82.55,0.508 ccw(c83.312,0.508) 83.312,-0.254 84.836,-0.254 91.44,-6.858 91.44,-8.636 91.186,-8.89 88.646,-8.89 87.884,-8.128 85.598,-8.128 85.09,-7.62 85.09,-3.302 ccw(c84.328,-3.302) 84.328,-2.54 82.55,-2.54 cw(c81.788,-2.54) 81.788,-3.302 80.772,-3.302 ccw(c80.772,-4.073) 80.001,-4.073 80.001,-4.613 cw(c79.463,-4.537) 79.463,-5.08 78.232,-5.08 cw(c78.232,-4.572) 77.724,-4.572 77.724,-3.302 cw(c77.724,-2.794) 77.216,-2.794 77.216,1.27 cw(c77.978,1.27) 77.978,2.032 81.788,2.032 cw(c81.788,1.27) 82.55,1.27
P5V0 on Top Layer "P5V0_L01_P028" (solid, pour order 28): 60.452,4.572 cw(c62.484,4.572) 62.484,6.604 113.636,6.604 ccw(c113.636,7.522) 114.554,7.522 114.554,24.638 111.506,27.686 102.235,27.686 102.235,39.751 93.878,48.108 30.074,48.108 24.384,42.418 24.384,36.322 26.543,34.163 30.099,34.163 31.242,35.306 31.242,36.449 27.94,39.751 27.94,42.291 31.242,45.593 75.689,45.593 cw(c75.689,45.082) 76.2,45.082 76.2,43.053 70.866,37.719 51.181,37.719 50.927,37.465 50.927,35.56 70.866,35.56 77.851,42.545 77.851,44.425 cw(c79.019,44.425) 79.019,45.593 89.662,45.593 95.123,40.132 96.799,40.132 cw(c96.787,39.002) 97.917,39.002 97.917,29.466 cw(c96.926,29.466) 96.926,28.475 93.639,28.47 79.756,28.448 79.756,26.924 98.806,26.924 102.108,23.622 111.252,23.622 113.302,21.572 113.302,10.922 1.912,10.922 ccw(c1.912,10.026) 1.016,10.026 1.016,8.763 1.016,8.187 ccw(c2.599,8.187) 2.599,6.604 54.102,6.604 cw(c54.102,4.826) 55.88,4.826 55.88,0.254 ccw(c56.896,0.254) 56.896,-0.762 58.039,-0.762 58.674,-1.397 58.674,-2.794 58.919,-3.039 60.148,-3.039 60.452,-2.735
GND on Bottom Layer "GND_L02_P029" (solid, pour order 29): 0,0 18,0 18,-25.004 97,-25.004 97,0 114.996,0 114.996,59.996 0,59.996
GNDBAT on Bottom Layer "GNDBAT_L02_P021" (solid, pour order 21): 77.978,-3.302 cw(c77.978,-2.54) 77.216,-2.54 77.216,1.27 cw(c77.978,1.27) 77.978,2.032 81.788,2.032 cw(c81.788,1.27) 82.55,1.27 82.55,-2.54 cw(c81.788,-2.54) 81.788,-3.302

## Other copper
Top Layer:
  text "'.Layer_Name'" at 32.675,70.175 h5
Bottom Layer:
  text "'.Layer_Name'" at 32.425,70.425 h5

## Silkscreen, mask and mechanical layers (free items; w line width, h text height)
Top Overlay:
  text "'.Layer_Name'" at 32.675,70.175 h5
  text "Binary calculator" at 67.056,55.626 h2.54
  text "P5V0" at 90.145,41.148 h1
  text "TX" at 90.145,38.608 h1
  text "DEC/HEX" at 74.168,37.846 h1.02
  text "RX" at 90.145,36.068 h1
  text "RES" at 90.145,33.528 h1
  text "GND" at 90.145,30.988 h1
  text "Please / I beg you / work at first run" at 19.05,-9.906 h1.27
  text "MINUS" at 20.32,-15.748 h1.02
  text "PLUS" at 91.44,-15.748 h1.02
  text "rev1.0" at 81.788,-23.114 h2.54
  text "Almost proudly designed  / by Jakub Kajzer" at 27.178,-23.876 h1.02
Bottom Overlay:
  text "'.Layer_Name'" at 32.675,70.175 h5
  text "( ͡° ͜ʖ ͡°)" at 1.778,19.558 h45.72
Top Solder:
  text "'.Layer_Name'" at 32.675,70.175 h5
Bottom Solder:
  text "'.Layer_Name'" at 32.675,70.175 h5
3D:
  text "'.Layer_Name'" at 32.675,70.425 h5
PCB Outline:
  the board outline again, w0.2
  text "'.Layer_Name'" at 32.425,70.425 h5
PCB Dimensions:
  circle w0.254: c111,56 r1.339
  circle w0.254: c111,4 r1.339
  circle w0.254: c4,4 r1.339
  circle w0.254: c4,56 r1.339
  lines w0.2: 0,0 0,59.996 114.996,59.996 114.996,0
  lines w0.254: 0,0 18,0 18,-25.004 97,-25.004 97,0 114.996,0
  text "'.Layer_Name'" at 32.675,70.425 h5
Designators and Comments:
  text "'.Layer_Name'" at 32.675,70.175 h5
Sugested clearance:
  text "'.Layer_Name'" at 32.675,70.175 h5

## Dimensions
18,-25.004 to 97,-25.004 on PCB Dimensions
4,55.996 to 0,59.996 on PCB Dimensions
4,55.996 to 0,59.996 on PCB Dimensions
0,0 to 18,-25.004 on PCB Dimensions
114.996,0 to 97,-25.004 on PCB Dimensions
0,0 to 18,0 on PCB Dimensions
0,59.996 to 114.996,59.996 on PCB Dimensions
0,59.996 to 0,0 on PCB Dimensions